# Altium PCB Carte_Mere - Copie.PcbDoc (part 3 of 4) (continued)
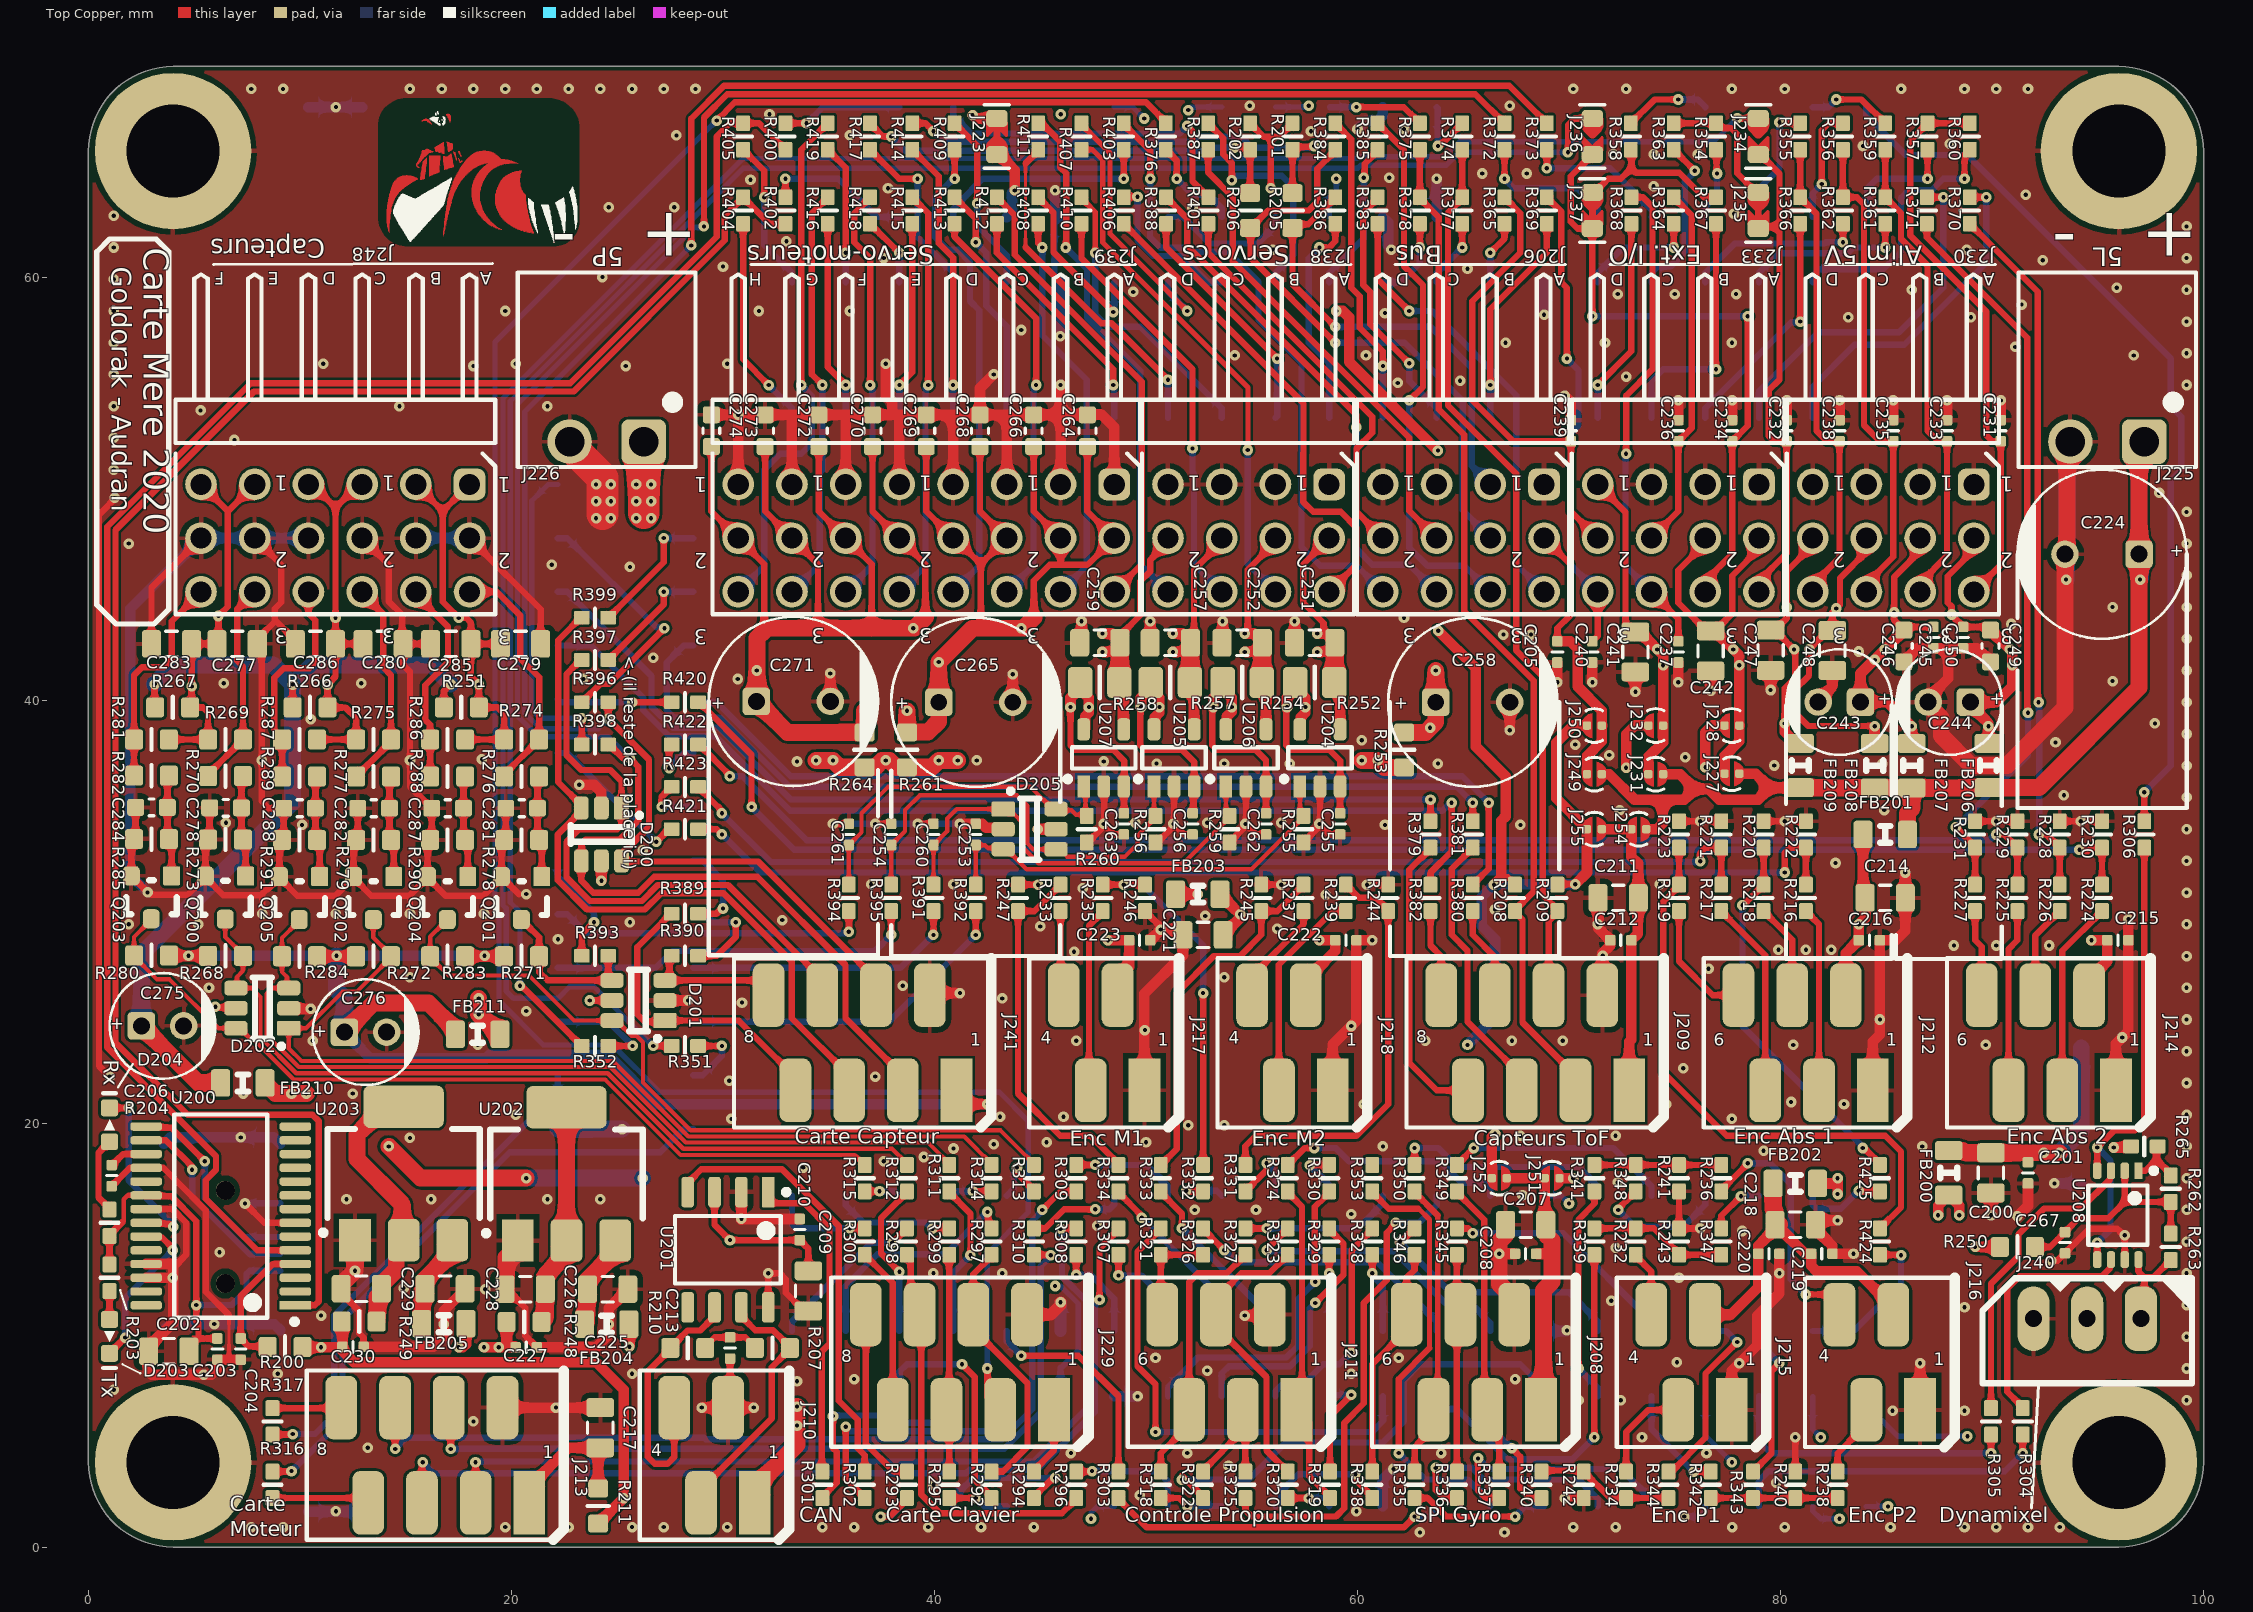
[diagram p0: Top Copper view]
## Nets (pads, with @x,y where several pads share a name; then routed paths per layer and width w, separated by ;. In a path a pad name is that pad's centre, name@x,y a point inside that pad or via, vN(x,y) a via of type N, cw(c..) or ccw(c..) an arc to the next point about the centre after c; other vN are vias at no path point) (continued)
GPIO_06_A4: J202.9 R368.2 | length 9.8
  Top Copper w0.3: v1(71.36,54.94) 72.95,56.53 R368.2@72.95,62.565
  Bottom Copper w0.3: J202.9@71.36,53.39 v1(71.36,54.94)
GPIO_07_B5: J202.10 R364.1 | length 5.7
  Top Copper w0.3: v1(74.95,61.44) R364.1@74.95,62.565
  Bottom Copper w0.3: J202.10@71.36,59.79 71.36,60.24 72.56,61.44 v1(74.95,61.44)
GPIO_08_A5: J202.13 R369.2 | length 10.3
  Top Copper w0.3: v1(66.28,54.94) 66.28,58.52 68.95,61.19 R369.2@68.95,62.565
  Bottom Copper w0.3: v1(66.28,54.94) 66.28,53.44 J202.13@66.33,53.39
GPIO_09_D5: J202.14 R365.1 | length 3.1
  Top Copper w0.3: v1(66.28,61.19) 66.95,61.86 R365.1@66.95,62.565
  Bottom Copper w0.3: J202.14@66.28,59.79 v1(66.28,61.19)
GPIO_010_B6: J202.15 R383.2 | length 12.1
  Top Copper w0.3: R383.2@60.95,63.815 60.95,63.765 60.275,63.09 60.275,59.665 60.6,59.34 60.6,57.82 v1(62.45,55.97)
  Bottom Copper w0.3: v1(62.45,55.97) 62.45,55.13 63.74,53.84 J202.15@63.74,53.39
GPIO_10_F13: J203.2 R298.2 | length 7.7
  Top Copper w0.3: v1(38,14.39) 38.025,14.39 R298.2@38.7,15.065
  Bottom Copper w0.3: J203.2@33.26,10.21 33.26,10.66 36.99,14.39 v1(38,14.39)
GPIO_011_A6: J202.16 R377.1 | length 3.3
  Top Copper w0.3: v1(64.95,61.44) R377.1@64.95,62.565
  Bottom Copper w0.3: J202.16@63.74,59.79 63.74,60.235 64.945,61.44 v1(64.95,61.44)
GPIO_11_T15: J203.4 R297.2 | length 11.1
  Top Copper w0.3: v1(42.5,15.84) 42.538,15.802 42.538,15.227 R297.2@42.7,15.065
  Bottom Copper w0.3: J203.4@35.8,10.21 35.8,12.34 37.3,13.84 40.5,13.84 v1(42.5,15.84)
GPIO_012_B7: J202.17 R384.2 | length 14.9
  Top Copper w0.3: R384.2@58.95,67.315 59.7,66.565 59.7,59.54 60.1,59.14 60.1,57.643 61.2,56.543 v1(61.2,55.84)
  Bottom Copper w0.3: J202.17@61.2,53.39 61.2,54.29 v1(61.2,55.84)
GPIO_12_T14: J203.5 R315.1 | length 1.7
  Top Copper w0.3: R315.1@36.7,16.815 v1(37.4,16.815)
  Bottom Copper w0.3: v1(37.4,16.815) 38.135,16.815 J203.5@38.34,16.61
GPIO_013_D6: J202.18 R378.1 | length 4
  Top Copper w0.3: v1(62.95,61.44) R378.1@62.95,62.565
  Bottom Copper w0.3: J202.18@61.2,59.79 62.05,59.79 62.95,60.69 v1(62.95,61.44)
GPIO_13_T13: J203.6 R312.2 | length 7.5
  Top Copper w0.3: v1(38.34,13.018) 37.473,13.885 37.473,15.538 38.7,16.765 R312.2@38.7,16.815
  Bottom Copper w0.3: J203.6@38.34,10.21 v1(38.34,13.018)
GPIO_014_A7: J202.19 R386.1 | length 10.4
  Top Copper w0.3: v1(58.2,61.44) 58.66,61.44 58.95,61.73 R386.1@58.95,62.565
  Bottom Copper w0.3: v1(58.2,61.44) 57.7,60.94 57.7,56.94 58.66,55.98 J202.19@58.66,53.39
GPIO_14_R13: J203.7 R314.1 | length 1.9
  Top Copper w0.3: v1(41.8,16.815) R314.1@42.7,16.815
  Bottom Copper w0.3: J203.7@40.88,16.61 41.085,16.815 v1(41.8,16.815)
GPIO_015_C6: J202.20 R385.1 | length 7.2
  Top Copper w0.3: v1(60.3,64.74) 60.338,64.778 60.338,65.403 60.95,66.015 R385.1@60.95,66.065
  Bottom Copper w0.3: J202.20@58.66,59.79 58.66,60.24 60.3,61.88 v1(60.3,64.74)
GPIO_15_T12: J203.8 R311.2 | length 7.4
  Top Copper w0.3: R311.2@40.7,16.815 40.7,16.765 41.7,15.765 v1(41.7,13.79)
  Bottom Copper w0.3: J203.8@40.88,10.21 40.88,12.97 v1(41.7,13.79)
GPIO_016_C8: J204.1 R388.2 | length 11.4
  Top Copper w0.3: R388.2@50.95,62.565 50.95,61.44 v1(56.2,56.19)
  Bottom Copper w0.3: J204.1@56.12,53.39 56.2,53.47 v1(56.2,56.19)
GPIO_16_R12: J203.9 R313.1 | length 3
  Top Copper w0.3: v1(43.902,17.94) 43.94,17.902 43.94,17.625 44.7,16.865 R313.1@44.7,16.815
  Bottom Copper w0.3: J203.9@43.42,16.61 43.758,16.948 43.758,17.701 43.902,17.845 v1(43.902,17.94)
GPIO_017_E6: J204.2 R387.1 | length 11.2
  Top Copper w0.3: R387.1@52.938,67.315 53.65,66.603 53.65,65.843 54.058,65.435 v1(54.058,64.621)
  Bottom Copper w0.3: v1(54.058,64.621) 54.112,64.621 54.318,64.827 56.413,64.827 56.97,64.27 56.97,61.09 56.12,60.24 J204.2@56.12,59.79
GPIO_018_E7: J204.3 R410.2 | length 14.1
  Top Copper w0.25: R410.2@46.95,63.815 46.95,63.765 47.6,63.115 v1(47.6,61.19)
  Bottom Copper w0.3: v1(47.6,61.19) 47.6,58.29 48.2,57.69 49.73,57.69 53.58,53.84 J204.3@53.58,53.39
GPIO_18_T10: J203.13 R310.1 | length 4.7
  Top Copper w0.3: R310.1@44.7,15.065 45.24,15.065 46.14,15.965 v1(47.6,15.965)
  Bottom Copper w0.3: v1(47.6,15.965) 48.273,15.965 48.5,16.192 J203.13@48.5,16.61
GPIO_019_D8: J204.4 R406.1 | length 7.5
  Top Copper w0.3: R406.1@48.95,63.815 48.975,63.84 v1(49.6,63.84)
  Bottom Copper w0.3: v1(49.6,63.84) 49.6,61.79 50.35,61.04 51.7,61.04 52.95,59.79 J204.4@53.58,59.79
GPIO_19_R11: J203.14 R308.2 | length 4.7
  Top Copper w0.3: v1(46.7,12.865) R308.2@46.7,13.815
  Bottom Copper w0.3: v1(46.7,12.865) 47.38,12.865 48.5,11.745 J203.14@48.5,10.21
GPIO_20_A14: J205.5 R397.2 | length 5.7
  Top Copper w0.3: R397.2@24.575,41.94 27.2,44.565 v1(27.2,45.16)
  Bottom Copper w0.3: v1(27.2,45.16) J205.5@28.586,45.16
GPIO_020_E8: J204.5 R411.2 | length 16
  Top Copper w0.15: 44.3,61.451 44.3,65.415
  Top Copper w0.3: 44.3,61.451 47.888,57.863 48.367,57.863 v1(51.04,55.19) ; 44.3,65.415 44.9,66.015 R411.2@44.9,66.065
  Bottom Copper w0.3: J204.5@51.04,53.39 v1(51.04,55.19)
GPIO_21_B16: J205.6 R379.1 | length 47.2
  Top Copper w0.3: R379.1@63.45,34.315 v1(63.45,35.34)
  Bottom Copper w0.3: J205.6@22.186,45.16 22.636,45.16 26.617,41.179 26.617,39.732 27.619,38.73 29.807,38.73 33.197,35.34 v1(63.45,35.34)
GPIO_021_F8: J204.6 R407.1 | length 12.7
  Top Copper w0.25: R407.1@46.95,67.315 46.95,67.265 48.3,65.915 48.3,62.09 v1(51.95,58.44)
  Bottom Copper w0.3: J204.6@51.04,59.79 51.04,59.35 v1(51.95,58.44)
GPIO_22_C14: J205.7 R381.2 | length 44.6
  Top Copper w0.3: R381.2@65.45,34.315 v1(65.45,35.19)
  Bottom Copper w0.3: J205.7@28.586,42.62 28.136,42.62 27.336,41.82 27.336,39.564 27.68,39.22 29.868,39.22 33.148,35.94 64.7,35.94 v1(65.45,35.19)
GPIO_022_F9: J204.7 R412.2 | length 11.5
  Top Copper w0.3: R412.2@42.95,62.565 42.95,61.19 48.45,55.69 v1(48.45,54.94)
  Bottom Copper w0.3: v1(48.45,54.94) 48.5,54.89 J204.7@48.5,53.39
GPIO_23_C16: J205.8 R382.2 | length 50.3
  Top Copper w0.3: R382.2@63.45,31.315 63.45,31.89 64.45,32.89 v1(64.45,35.19)
  Bottom Copper w0.3: J205.8@22.186,42.62 23.765,42.62 26.227,40.158 26.227,39.57 27.457,38.34 29.645,38.34 33.172,34.813 64.019,34.813 64.396,35.19 v1(64.45,35.19)
GPIO_023_E9: J204.8 R408.1 | length 8.3
  Top Copper w0.3: R408.1@44.9,63.815 45.627,63.088 45.627,61.213 v1(48.45,58.39)
  Bottom Copper w0.3: v1(48.45,58.39) 48.5,58.44 J204.8@48.5,59.79
GPIO_024_C9: J204.11 R413.2 | length 11.4
  Top Copper w0.3: R413.2@40.95,63.815 41.95,62.815 v1(41.95,61.69)
  Bottom Copper w0.3: v1(41.95,61.69) 42.45,61.19 42.45,58.69 43.42,57.72 J204.11@43.42,53.39
GPIO_24_C15: J205.9 R380.2 | length 43.8
  Top Copper w0.3: R380.2@65.45,31.315 66.2,32.065 v1(66.2,35.19)
  Bottom Copper w0.3: J205.9@28.586,40.08 28.726,39.94 29.7,39.94 33.2,36.44 64.95,36.44 v1(66.2,35.19)
GPIO_025_D9: J204.12 R409.1 | length 8.5
  Top Copper w0.3: R409.1@40.95,67.315 42.02,66.245 v1(42.02,63.54)
  Bottom Copper w0.3: v1(42.02,63.54) 42.02,62.473 43.42,61.073 J204.12@43.42,59.79
GPIO_25_D16: J205.10 R420.1 | length 5.4
  Top Copper w0.3: v1(25.7,39.94) R420.1@27.575,39.94
  Bottom Copper w0.3: J205.10@22.186,40.08 22.326,39.94 v1(25.7,39.94)
GPIO_26_D15: J205.11 R422.2 | length 2.6
  Top Copper w0.3: v1(27.45,36.815) 27.45,37.815 R422.2@27.575,37.94
  Bottom Copper w0.3: v1(27.45,36.815) 28.175,37.54 J205.11@28.586,37.54
GPIO_026_E11: J204.13 R414.2 | length 13.5
  Top Copper w0.3: R414.2@38.95,66.065 40.2,64.815 40.2,61.64 40.88,60.96 v1(40.88,54.94)
  Bottom Copper w0.3: J204.13@40.88,53.39 v1(40.88,54.94)
GPIO_27_D14: J205.12 R421.1 | length 7.4
  Top Copper w0.3: v1(26.844,33.34) 27.269,33.765 27.4,33.765 R421.1@27.575,33.94
  Bottom Copper w0.3: J205.12@22.186,37.54 22.636,37.54 26.836,33.34 v1(26.844,33.34)
GPIO_027_E10: J204.14 R417.1 | length 8.4
  Top Copper w0.3: R417.1@36.95,66.065 38.325,64.69 v1(39.2,64.69)
  Bottom Copper w0.3: v1(39.2,64.69) 39.2,61.92 40.88,60.24 J204.14@40.88,59.79
GPIO_028_C11: J204.15 R415.2 | length 9.4
  Top Copper w0.3: v1(38.34,54.94) 38.95,55.55 R415.2@38.95,62.565
  Bottom Copper w0.3: J204.15@38.34,53.39 v1(38.34,54.94)
GPIO_28_F15: J205.13 R423.2 | length 2.6
  Top Copper w0.3: v1(27.1,35) 27.1,35.465 R423.2@27.575,35.94
  Bottom Copper w0.3: v1(27.1,35) J205.13@28.586,35
GPIO_029_B11: J204.16 R418.1 | length 3.4
  Top Copper w0.3: R418.1@36.95,62.565 38.325,61.19 v1(38.34,61.19)
  Bottom Copper w0.3: J204.16@38.34,59.79 v1(38.34,61.19)
GPIO_29_F16: J205.14
GPIO_030_A12: J204.17 R416.2 | length 9.5
  Top Copper w0.3: R416.2@34.95,62.565 34.95,55.79 v1(35.8,54.94)
  Bottom Copper w0.3: J204.17@35.8,53.39 v1(35.8,54.94)
GPIO_031_D11: J204.18 R419.1 | length 6.6
  Top Copper w0.3: R419.1@34.95,66.065 35.8,65.215 v1(35.8,61.19)
  Bottom Copper w0.3: J204.18@35.8,59.79 v1(35.8,61.19)
GPIO_032_D12: J204.19 R404.2 | length 10.1
  Top Copper w0.3: R404.2@30.95,62.565 30.95,56.15 v1(32.165,54.935)
  Bottom Copper w0.3: v1(32.165,54.935) 33.26,53.84 J204.19@33.26,53.39
GPIO_033_B12: J204.20 R405.1 | length 7.2
  Top Copper w0.3: R405.1@30.95,66.065 31.95,65.065 v1(31.95,63.815)
  Bottom Copper w0.3: v1(31.95,63.815) 31.95,61.55 33.26,60.24 J204.20@33.26,59.79
GPIO_110_P11: J203.15 R309.1 | length 5.2
  Top Copper w0.3: R309.1@46.7,18.065 v1(47.6,18.065)
  Bottom Copper w0.3: v1(47.6,18.065) 50.035,18.065 51.04,17.06 J203.15@51.04,16.61
GPIO_111_R10: J203.16 R307.2 | length 5.2
  Top Copper w0.3: v1(48.7,12.84) R307.2@48.7,13.815
  Bottom Copper w0.3: v1(48.7,12.84) 49.787,12.84 51.04,11.587 J203.16@51.04,10.21
GPIO_112_N12: J203.17 R332.1 | length 2.6
  Top Copper w0.3: v1(51.9,16.84) 51.925,16.815 R332.1@52.7,16.815
  Bottom Copper w0.3: v1(51.9,16.84) 53.35,16.84 J203.17@53.58,16.61
GPIO_113_P9: J203.18 R334.2 | length 8.6
  Top Copper w0.3: R334.2@48.7,16.815 48.7,16.765 49.8,15.665 v1(49.8,15.565)
  Bottom Copper w0.3: v1(49.8,15.565) 53.58,11.785 J203.18@53.58,10.21
GPIO_114_N9: J203.19 R331.1 | length 3.4
  Top Copper w0.3: R331.1@54.7,16.815 55.7,17.815 v1(55.7,18.14)
  Bottom Copper w0.3: v1(55.7,18.14) 56.12,17.72 J203.19@56.12,16.61
GPIO_115_N11: J203.20 R333.2 | length 8.9
  Top Copper w0.3: R333.2@50.7,16.815 50.7,16.765 51.7,15.765 v1(51.7,15.065)
  Bottom Copper w0.3: v1(51.7,15.065) 51.715,15.065 56.12,10.66 J203.20@56.12,10.21
GPIO_116_L16: J201.1 R330.1 | length 2.7
  Top Copper w0.3: v1@57.77,18.065 R330.1@58.66,18.065
  Bottom Copper w0.3: v1(57.745,18.04) 58.66,17.125 J201.1@58.66,16.61
GPIO_117_K16: J201.2 R329.2 | length 3.6
  Top Copper w0.3: v1(58.66,12.94) R329.2@58.66,13.815
  Bottom Copper w0.3: J201.2@58.66,10.21 v1(58.66,12.94)
GPIO_118_R16: J201.3 R327.1 | length 7.4
  Top Copper w0.3: R327.1@54.7,15.065 v1(55.7,15.065)
  Bottom Copper w0.3: v1(55.7,15.065) 60.025,15.065 61.2,16.24 J201.3@61.2,16.61
GPIO_119_L15: J201.4 R328.2 | length 3.8
  Top Copper w0.3: v1(60.7,12.94) R328.2@60.7,13.815
  Bottom Copper w0.3: v1(60.7,12.94) 60.7,12.84 61.2,12.34 J201.4@61.2,10.21
GPIO_120_P15: J201.5 R325.1 | length 22.8
  Top Copper w0.3: R325.1@54.7,2.315 54.7,1.74 55,1.44 58.982,1.44 59.375,1.833 59.375,5.865 60.3,6.79 60.3,11.54 61.375,12.615 61.375,14.861 61.8,15.286 v1(61.8,15.34)
  Bottom Copper w0.3: v1(61.8,15.34) 62.92,15.34 63.74,16.16 J201.5@63.74,16.61
GPIO_121_P16: J201.6 R326.2 | length 13.3
  Top Copper w0.3: R326.2@52.7,15.065 52.7,15.03 v1(53.7,14.03)
  Bottom Copper w0.3: v1(53.7,14.03) 54.263,13.467 60.933,13.467 63.74,10.66 J201.6@63.74,10.21
GPIO_122_R14: J201.7 R324.1 | length 11
  Top Copper w0.3: R324.1@56.7,18.065 57.5,18.865 v1(57.95,18.865)
  Bottom Copper w0.3: v1(57.95,18.865) 58.975,18.865 59.6,18.24 63.899,18.24 64.914,17.225 65.98,17.225 66.28,16.925 J201.7@66.28,16.61
GPIO_123_N16: J201.8 R323.2 | length 13.8
  Top Copper w0.3: v1(55.7,14.03) 55.7,14.065 R323.2@56.7,15.065
  Bottom Copper w0.3: v1(55.7,14.03) 55.742,13.988 61.707,13.988 64.155,11.54 65.35,11.54 66.28,10.61 J201.8@66.28,10.21
GPIO_124_N15: J201.11 R350.1 | length 10.7
  Top Copper w0.3: R350.1@62.7,18.065 v1(62.7,18.865)
  Bottom Copper w0.3: v1(62.7,18.865) 63.826,18.865 64.724,17.967 70.453,17.967 71.36,17.06 J201.11@71.36,16.61
GPIO_125_P14: J201.12 R346.2 | length 12.3
  Top Copper w0.3: v1(62,14.44) 62.075,14.44 R346.2@62.7,15.065
  Bottom Copper w0.3: v1(62,14.44) 64.4,12.04 70,12.04 71.36,10.68 J201.12@71.36,10.21
GPIO_126_L14: J201.13 R349.1 | length 10.7
  Top Copper w0.3: R349.1@64.7,18.065 v1(65.5,18.865)
  Bottom Copper w0.3: v1(65.5,18.865) 72.095,18.865 73.9,17.06 J201.13@73.9,16.61
GPIO_127_N14: J201.14 R345.2 | length 11.5
  Top Copper w0.3: R345.2@64.7,15.065 65.225,15.065 v1(65.45,14.84)
  Bottom Copper w0.3: v1(65.45,14.84) 69.72,14.84 73.9,10.66 J201.14@73.9,10.21
GPIO_128_M10: J201.15 R348.1 | length 6.5
  Top Copper w0.3: v1(72.325,15.94) 72.325,15.99 R348.1@73.15,16.815
  Bottom Copper w0.3: v1(72.325,15.94) 73.125,15.14 75.4,15.14 76.44,16.18 J201.15@76.44,16.61
GPIO_129_L13: J201.16 R344.2 | length 9.3
  Top Copper w0.3: R344.2@74.7,3.565 74.855,3.565 76.45,5.16 76.45,8.19 v1(77.95,9.69)
  Bottom Copper w0.3: J201.16@76.44,10.21 77.43,10.21 v1(77.95,9.69)
GPIO_130_J16: J201.17 R347.1 | length 2.8
  Top Copper w0.3: R347.1@77.2,15.065 77.2,15.658 v1(78.13,16.588)
  Bottom Copper w0.3: v1(78.13,16.588) 78.958,16.588 J201.17@78.98,16.61
GPIO_131_K15: J201.18 R343.2 | length 7.6
  Top Copper w0.3: R343.2@78.7,3.565 79.575,4.44 79.575,8.315 v1(79.95,8.69)
  Bottom Copper w0.3: J201.18@78.98,10.21 78.98,9.66 v1(79.95,8.69)
GPIO_132_J13: J201.19 R425.1 | length 4.1
  Top Copper w0.3: v1(83.7,16.84) 83.725,16.815 R425.1@84.7,16.815
  Bottom Copper w0.3: J201.19@81.52,16.61 81.52,16.17 81.7,15.99 82.85,15.99 v1(83.7,16.84)
GPIO_133_J14: J201.20 R424.2 | length 7.5
  Top Copper w0.3: R424.2@84.7,13.815 85.675,13.815 v1(85.7,13.79)
  Bottom Copper w0.3: J201.20@81.52,10.21 83.47,10.21 85.7,12.44 v1(85.7,13.79)
GPIO_210_F14: J205.15 R389.2 | length 4.4
  Top Copper w0.3: R389.2@28.825,29.94 29.696,29.94 29.946,30.19 v1(30,30.19)
  Bottom Copper w0.3: J205.15@28.586,32.46 29.036,32.46 30,31.496 v1(30,30.19)
GPIO_211_G16: J205.16 R393.1 | length 5.5
  Top Copper w0.3: R393.1@23.325,27.95 23.325,28.965 v1(23.9,29.54)
  Bottom Copper w0.3: J205.16@22.186,32.46 22.186,31.704 23.9,29.99 v1(23.9,29.54)
GPIO_212_G15: J205.17 R390.2 | length 5
  Top Copper w0.3: R390.2@28.825,27.95 29.71,27.95 30.6,28.84 v1(30.6,29.54)
  Bottom Copper w0.3: J205.17@28.586,29.92 29.07,29.92 29.45,29.54 v1(30.6,29.54)
I2C1_SCL: J209.3 R208.1 R375.1 R378.2 | length 48.3
  Top Copper w0.3: R375.1@62.95,66.065 62.95,63.765 63.848,62.867 63.848,53.792 65.05,52.59 65.05,44.245 68.33,40.965 68.33,30.995 67.45,30.115 67.45,30.015 67.8,29.665 67.8,24.8 70.305,22.295 J209.3@70.305,21.59
I2C1_SDA: J209.4 R209.1 R374.1 R377.2 | length 42.6
  Top Copper w0.3: R374.1@64.95,66.065 64.95,63.765 64.275,63.09 64.275,53.984 67.51,50.749 67.51,42.389 68.757,41.142 68.757,30.808 69.45,30.115 69.45,30.015 69.035,29.6 J209.4@69.035,26.09
I2C2_SCL: R201.1 R205.1 R414.1 | length 22.9
  Top Copper w0.3: R414.1@38.95,67.315 39.575,67.315 v1(39.95,66.94) ; R205.1@56.925,64.015 R201.1@56.925,66.065 57.062,66.202 57.912,66.202 v1(57.95,66.24)
  Bottom Copper w0.3: v1(39.95,66.94) 40.45,66.44 52.2,66.44 52.45,66.69 54.5,66.69 55.027,66.163 57.873,66.163 v1(57.95,66.24)
I2C2_SDA: R202.1 R206.1 R417.2 | length 20.7
  Top Copper w0.3: R417.2@36.95,67.315 36.95,67.295 37.555,66.69 v1(37.95,66.69) ; v1(54.177,66.163) 54.827,66.163 R202.1@54.925,66.065 R206.1@54.925,64.015
  Bottom Copper w0.3: v1(37.95,66.69) 38.622,66.018 52.653,66.018 52.798,66.163 v1(54.177,66.163)
IRQ_FPGA: J203.10 R303.2 | length 10.4
  Top Copper w0.3: v1(44.1,9.04) 46.8,9.04 48.7,7.14 R303.2@48.7,3.565
  Bottom Copper w0.3: J203.10@43.42,10.21 43.42,9.72 v1(44.1,9.04)
LED_CLAVIER: J229.1 R294.2 | length 3.3
  Top Copper w0.3: R294.2@44.7,3.565 44.7,3.615 45.645,4.56 J229.1@45.645,6.49
MOT1_CS: J213.7 R316.1 | length 4.6
  Top Copper w0.3: R316.1@8.7,2.315 13,2.315 J213.7@13.225,2.09
MOT1_DIR: J213.4 R310.2 | length 39
  Top Copper w0.3: J213.4@17.035,6.59 17.13,6.495 v1(17.13,4.64) ; R310.2@44.7,13.815 45.475,13.815 v1(45.5,13.79)
  Bottom Copper w0.3: v1(17.13,4.64) 43.299,4.64 45.017,6.358 45.017,13.283 45.5,13.766 v1(45.5,13.79)
MOT1_PWM: J213.3 R308.1 | length 41.6
  Top Copper w0.3: v1(18.3,4.01) 18.305,4.005 J213.3@18.305,2.09 ; v1(45.96,15.04) 45.985,15.065 R308.1@46.7,15.065
  Bottom Copper w0.3: v1(18.3,4.01) 18.335,4.045 44.692,4.045 47.2,6.553 47.2,11.62 46.027,12.793 46.027,14.973 v1(45.96,15.04)
MOT2_CS: J213.8 R317.2 | length 3.2
  Top Copper w0.3: R317.2@8.7,6.565 J213.8@11.93,6.565
MOT2_DIR: J213.6 R309.2 | length 44.5
  Top Copper w0.3: J213.6@14.495,6.59 14.495,4.645 v1(14.5,4.64) ; v1(45.1,15.94) 45.975,16.815 R309.2@46.7,16.815
  Bottom Copper w0.3: v1(14.5,4.64) 15.027,5.167 29.101,5.167 29.178,5.09 43.197,5.09 44.627,6.52 44.627,15.423 45.1,15.896 v1(45.1,15.94)
MOT2_PWM: J213.5 R307.1 | length 44.3
  Top Copper w0.3: J213.5@15.765,2.09 15.765,3.975 v1(15.8,4.01) ; v1(47.8,11.7) 47.8,14.115 48.7,15.015 R307.1@48.7,15.065
  Bottom Copper w0.3: v1(15.8,4.01) 16.327,3.483 41.491,3.483 41.663,3.655 44.854,3.655 47.59,6.391 47.59,11.436 47.8,11.646 v1(47.8,11.7)
nDATA_DYNA: R262.1 R265.2 U208.1 | length 2.7
  Top Copper w0.3: U208.1@96.925,17.79 97.25,17.79 97.775,18.315 ; R265.2@97.825,18.94 97.775,18.89 97.775,18.315 ; R262.1@98.45,17.565 98.45,17.64 97.775,18.315
NetC205_1: C205.1 J206.2 J249.2 J250.1 | length 13.4
  Top Copper w0.3: J206.2@68.82,47.7 70.05,46.47 70.05,44.04 69.45,43.44 C205.1@69.45,42.82
  Top Copper w0.5: C205.1@69.45,42.82 70.05,42.82 70.406,42.464 70.406,40.684 71.55,39.54 J250.1@71.55,38.84 71.55,38.09 70.85,37.39 J249.2@70.85,36.54
NetC207_1: C207.1 C208.1 J208.1 J251.2 J252.1 | length 13.9
  Top Copper w0.5: J252.1@67.05,17.44 J251.2@68.85,17.44 68.85,15.29 C207.1@68.9,15.24 ; C208.1@68.45,13.865 69.2,13.865
  Top Copper w0.8: J208.1@68.675,6.49 68.8,6.615 68.8,12.14 69.2,12.54 69.2,13.865 69.2,14.49 68.9,14.79 C207.1@68.9,15.24
NetC211_1: C211.1 C212.1 J209.1 J254.2 J255.1 | length 14.1
  Top Copper w0.5: J255.1@71.55,33.94 J254.2@72.95,33.94 72.95,32.64 73.275,32.315 C211.1@73.275,30.69 73.26,30.675 73.26,29 C212.1@72.95,28.69 72.95,23.99 72.845,23.885 J209.1@72.845,21.59
NetC213_1: C213.1 R207.1 R210.2 | length 2.8
  Top Copper w0.3: R210.2@29.16,9.41 29.16,9.46 29.61,9.91 C213.1@30.335,9.91 31.06,9.91 31.51,9.46 R207.1@31.51,9.41
NetC225_1: C225.1 FB204.2 U202.3 | length 4.4
  Top Copper w0.8: FB204.2@23.45,10.54 23.548,10.638 C225.1@23.548,12.127 ; C225.1@23.562,12.241 23.562,12.582 24.9,13.92 U202.3@24.9,14.49
NetC226_1: C226.1 R248.1 U202.2 U202.4 | length 10.6
  Top Copper w0.8: R248.1@21.425,10.64 21.598,10.813 21.598,12.838 22.6,13.84 U202.2@22.6,14.49 U202.4@22.6,20.79
NetC228_1: C228.1 FB205.2 U203.3 | length 4.5
  Top Copper w0.8: FB205.2@15.75,10.561 15.75,12.049 C228.1@15.912,12.211 ; C228.1@15.862,12.261 15.862,12.602 17.2,13.94 U203.3@17.2,14.51
NetC229_1: C229.1 R249.1 U203.2 U203.4 | length 13
  Top Copper w0.8: R249.1@13.625,10.661 13.65,10.686 13.65,11.811 13.85,12.011 C229.1@13.85,12.211 ; C229.1@13.9,12.261 13.9,12.461 14.55,13.111 14.55,14.16 U203.2@14.9,14.51 14.835,14.575 14.835,16.205 12.7,18.34 12.7,19.51 14,20.81 U203.4@14.9,20.81
NetC278_1: C278.1 Q200.1 R270.2 R273.2 | length 4.8
  Top Copper w0.3: R270.2@7.305,36.45 7.23,36.375 C278.1@7.23,34.95 7.23,33.525 R273.2@7.305,33.45 7.432,33.323 Q200.1@7.432,31.716
NetC281_1: C281.1 Q201.1 R276.2 R278.2 | length 4.8
  Top Copper w0.3: R276.2@21.305,36.43 21.23,36.355 C281.1@21.23,34.93 21.23,33.505 R278.2@21.305,33.43 21.433,33.303 Q201.1@21.433,31.696
NetC282_1: C282.1 Q202.1 R277.2 R279.2 | length 4.7
  Top Copper w0.3: R277.2@14.23,36.355 C282.1@14.23,34.93 14.23,33.505 R279.2@14.305,33.43 14.433,33.302 Q202.1@14.433,31.696
NetC284_1: C284.1 Q203.1 R282.2 R285.2 | length 4.7
  Top Copper w0.3: R282.2@3.73,36.395 C284.1@3.73,34.97 3.73,33.545 R285.2@3.805,33.47 3.933,33.342 Q203.1@3.933,31.736
NetC287_1: C287.1 Q204.1 R288.2 R290.2 | length 4.7
  Top Copper w0.3: R288.2@17.73,36.355 C287.1@17.73,34.93 17.73,33.505 R290.2@17.805,33.43 17.933,33.303 Q204.1@17.933,31.696
NetC288_1: C288.1 Q205.1 R289.2 R291.2 | length 4.7
  Top Copper w0.3: R289.2@10.73,36.355 C288.1@10.73,34.93 10.73,33.505 R291.2@10.805,33.43 10.933,33.302 Q205.1@10.933,31.696
NetD203_1: D203.1 U200.23 | length 7.7
  Top Copper w0.3: D203.1@0.995,9.159 v1(1.738,9.902) ; U200.23@2.73,14.68 2.78,14.63 3.493,14.63 3.949,14.174 3.949,14.068 v1(3.987,14.03)
  Bottom Copper w0.3: v1(1.738,9.902) 1.738,11.781 v1(3.987,14.03)
NetD203_2: D203.2 R203.2 | length 1.3
  Top Copper w0.3: D203.2@0.995,10.759 R203.2@0.995,12.105
NetD204_1: D204.1 U200.22 | length 8.7
  Top Copper w0.3: D204.1@0.995,20.759 v1(1.9,20.759) ; U200.22@2.73,15.33 2.78,15.28 3.806,15.28 3.946,15.14 v1(4,15.14)
  Bottom Copper w0.3: v1(1.9,20.759) 1.9,17.327 4,15.227 v1(4,15.14)
NetD204_2: D204.2 R204.2 | length 3.6
  Top Copper w0.3: R204.2@0.995,15.955 0.995,16.005 0.476,16.524 0.476,18.64 D204.2@0.995,19.159
NRST: J221.13 R376.1 | length 4.7
  Top Copper w0.3: R376.1@50.938,66.065 51.45,65.553 v1(51.45,64.69)
  Bottom Copper w0.3: v1(51.45,64.69) 52.2,63.94 52.95,63.94 53.58,63.31 J221.13@53.58,62.88
NRST_NUCLEO: J229.3 R376.2 | length 110.1
  Top Copper w0.3: v1(29.7,67.44) 30.564,68.304 49.999,68.304 50.938,67.365 R376.2@50.938,67.315 ; v1(42.5,8.44) 42.5,7.095 J229.3@43.105,6.49
  Bottom Copper w0.25: v1(29.7,67.44) 19.225,56.965 19.225,30.063 19.407,29.881 19.407,25.833 21.5,23.74 24.775,23.74 27.015,21.5 43.069,21.5 44.429,20.14 44.429,15.821 42.5,13.891 v1(42.5,8.44)
PA0: J221.27 R372.1 | length 6.8
  Top Copper w0.3: v1(66.95,64.69) R372.1@66.95,66.065
  Bottom Copper w0.3: v1(66.95,64.69) 67.4,64.24 70.4,64.24 71.36,63.28 J221.27@71.36,62.88
PA1: J221.29 R373.1 | length 7
  Top Copper w0.3: v1(68.95,65.19) R373.1@68.95,66.065
  Bottom Copper w0.3: v1(68.95,65.19) 71.95,65.19 73.95,63.19 73.95,62.93 J221.29@73.9,62.88
PA2: J222.36 | length 2.1
  Bottom Copper w0.25: J222.36@81.52,7.12 81.52,5.57 v2(81.9,5.19)
PA3: J222.38 | length 5.8
  Bottom Copper w0.25: J222.38@84.06,7.12 84.06,6.72 85.54,5.24 v2(88.834,5.24)
PA4: J221.31 R354.1 | length 3.4
  Top Copper w0.3: R354.1@76.95,66.065 76.975,66.04 76.975,64.965 v1(77,64.94)
  Bottom Copper w0.3: J221.31@76.44,62.88 76.44,63.38 77,63.94 v1(77,64.94)
PA8: J222.24 R340.2 | length 6.1
  Top Copper w0.3: v1(67.3,4.676) 67.7,4.276 67.7,2.758 68.143,2.315 R340.2@68.7,2.315
  Bottom Copper w0.3: J222.24@66.28,7.12 66.28,5.696 v1(67.3,4.676)
PA9: J222.22 R339.2 | length 17.9
  Top Copper w0.3: v1(71.2,5.19) R339.2@71.2,13.815
  Bottom Copper w0.3: J222.22@63.74,7.12 63.74,6.87 64.09,6.52 64.711,6.52 67.082,4.149 70.159,4.149 v1(71.2,5.19)
PA10: J222.34 R305.2 | length 14.2
  Top Copper w0.3: v1(89.95,4.44) R305.2@89.95,5.315
  Bottom Copper w0.3: J222.34@78.98,7.12 78.98,4.99 79.53,4.44 v1(89.95,4.44)
PA11: J222.13 R318.1 | length 3
  Top Copper w0.3: R318.1@50.7,2.315 51.575,2.315 v1(51.95,1.94)
  Bottom Copper w0.3: v1(51.95,1.94) J222.13@53.58,1.94
PA12: J222.11 R296.1 | length 5.7
  Top Copper w0.3: R296.1@46.7,3.565 47.425,3.565 v1(47.45,3.59)
  Bottom Copper w0.3: v1(47.45,3.59) 50.55,3.59 51.04,3.1 J222.11@51.04,1.92
PA13: J221.14 | length 1.6
  Bottom Copper w0.25: v1(52,67.94) 52.14,68.08 J221.14@53.58,68.08
PA14: J221.16 | length 1.6
  Bottom Copper w0.25: J221.16@56.12,68.08 57.54,68.08 57.6,68.14 v1(57.7,68.14)
PA15: J221.18 R375.2 | length 4.6
  Top Copper w0.3: v1(59.95,68.08) 62.185,68.08 R375.2@62.95,67.315
  Bottom Copper w0.3: J221.18@58.7,68.08 v1(59.95,68.08)
PB0: J221.33 R355.1 | length 5.9
  Top Copper w0.3: v1(79.95,67.362) 79.997,67.315 R355.1@80.93,67.315
  Bottom Copper w0.3: J221.33@78.95,62.91 78.95,64.19 79.95,65.19 v1(79.95,67.362)
PB1: J222.23 R353.1 | length 20.4
  Top Copper w0.25: 62.87,15.99 62.896,15.99 63.4,15.487 63.4,9.39
  Top Copper w0.3: R353.1@60.7,16.815 60.7,16.765 61.475,15.99 62.87,15.99 ; v1(61.95,4.44) 61.95,7.94 63.4,9.39
  Bottom Copper w0.3: v1(61.95,4.44) 63.2,3.19 65.2,3.19 66.28,2.11 J222.23@66.28,1.92
PB1_SPARE: R353.2
PB2: J222.21 R303.1 | length 16.2
  Top Copper w0.3: R303.1@48.7,2.315 48.7,2.265 50.025,0.94 62.2,0.94 v1(62.7,1.44)
  Bottom Copper w0.3: v1(62.7,1.44) 63.45,1.44 63.74,1.73 J222.21@63.74,1.92
PB3: J222.32 | length 3.6
  Bottom Copper w0.25: J222.32@76.44,7.12 76.44,5.27 v2(77.7,4.01)
PB4: J222.28 R341.2 | length 10.4
  Top Copper w0.3: v1(70.45,8.44) 70.45,15.472 71.2,16.222 R341.2@71.2,16.815
  Bottom Copper w0.3: v1@70.447,8.438 71.36,7.525 J222.28@71.36,7.12
PB5: J222.30 R342.2 | length 5.2
  Top Copper w0.3: v1(75.9,3.565) R342.2@76.7,3.565
  Bottom Copper w0.3: J222.30@73.9,7.12 73.9,5.565 v1(75.9,3.565)
PB6: J222.18 R319.2 | length 5.1
  Top Copper w0.3: R319.2@58.7,3.565 58.7,6.19 v1(59.7,7.19)
  Bottom Copper w0.3: J222.18@58.66,7.12 58.73,7.19 v1(59.7,7.19)
PB7: J221.22 R374.2 | length 3.5
  Top Copper w0.3: v1(63.8,66.24) 63.875,66.24 R374.2@64.95,67.315
  Bottom Copper w0.3: J221.22@63.74,68.08 63.8,68.02 v1(63.8,66.24)